# Altium PCB IoT_EM_ADE7758_v0.PcbDoc
Units mm, origin at the board's own origin, x right, y up, seen from the top; angles counter-clockwise.
Board outline 102 x 85 mm, 2 copper layers (Top Layer, Bottom Layer), stack 1.671 mm thick; 84 components, 58 nets, 223 pads, 30 vias.
Unrouted connection lines stored in the file: 1.
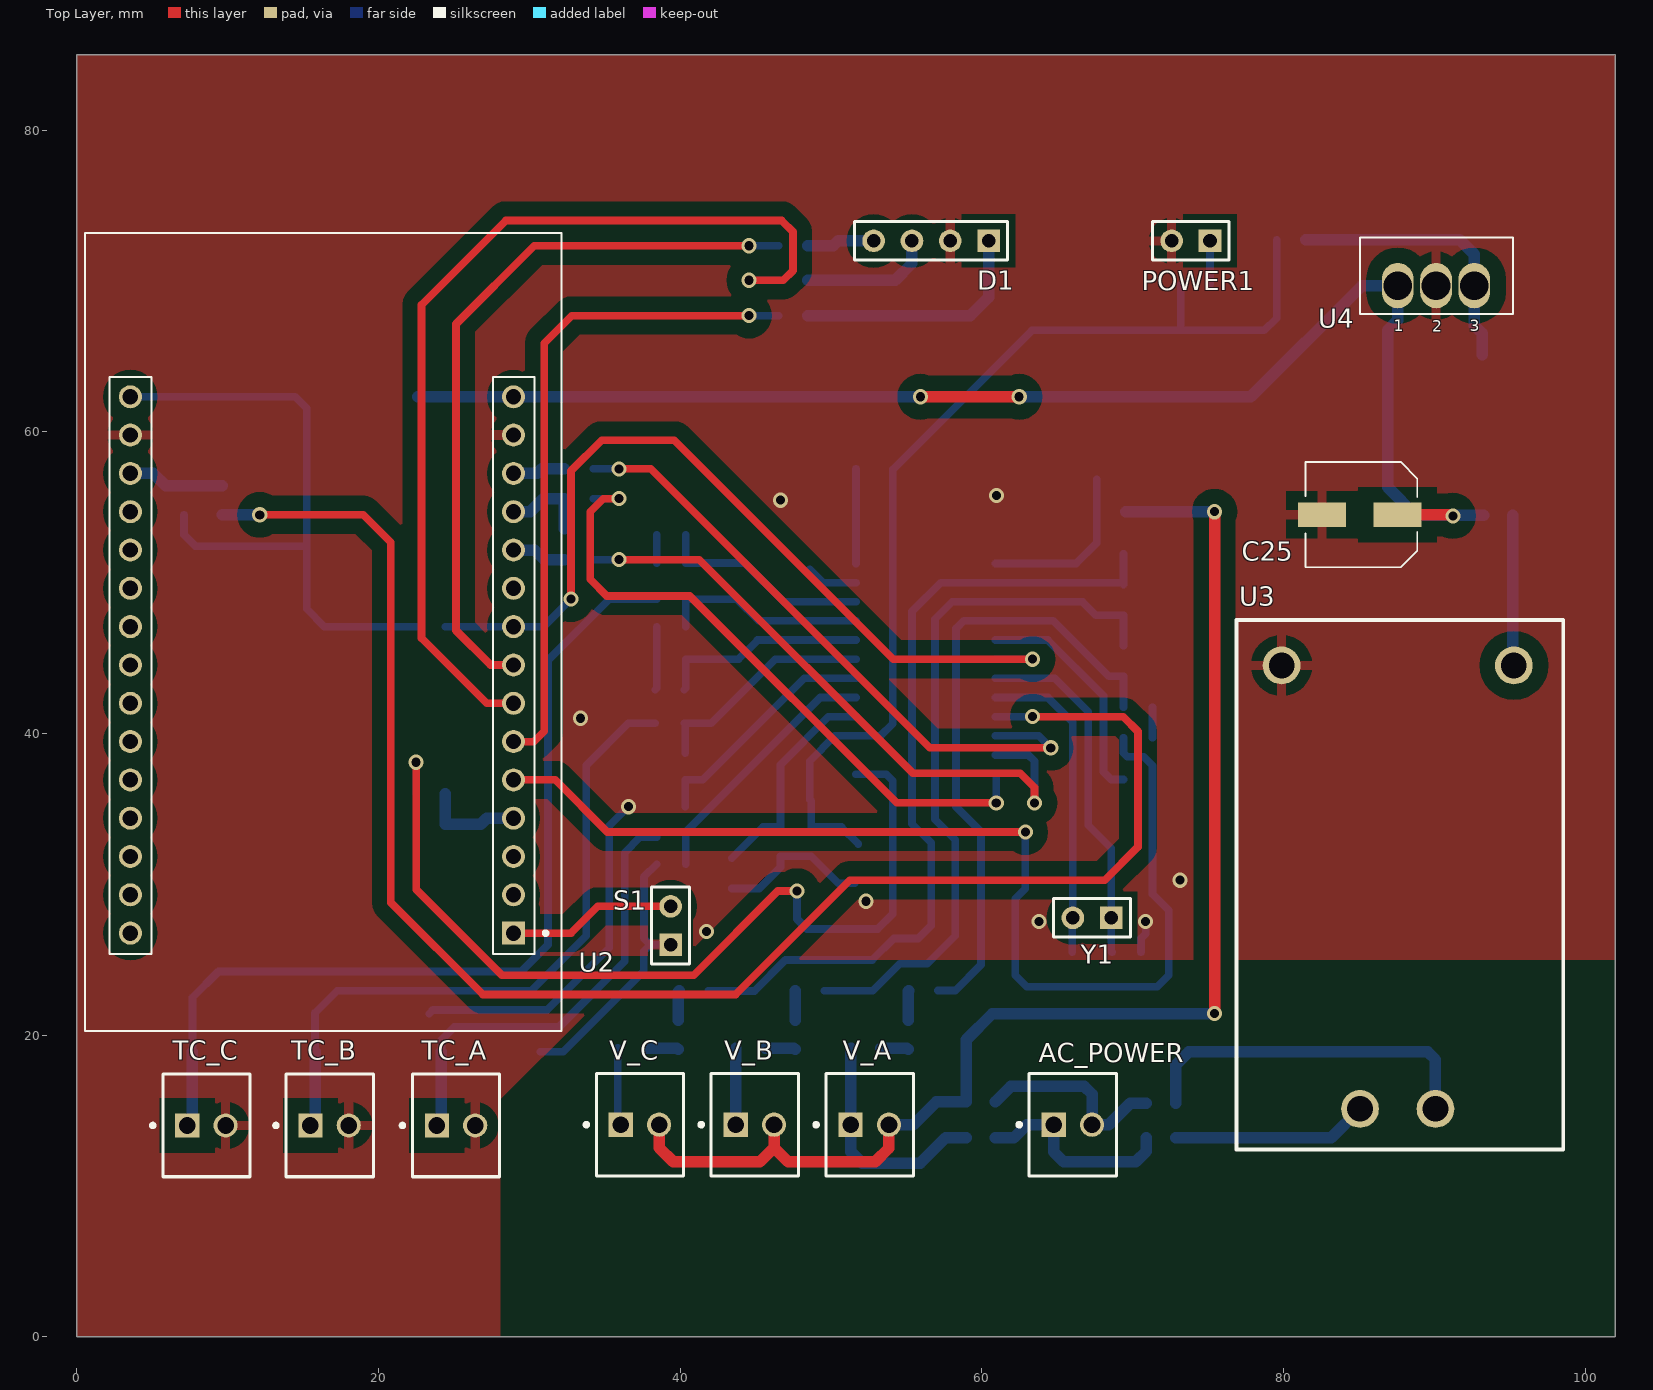
[diagram p0: Top Layer view]
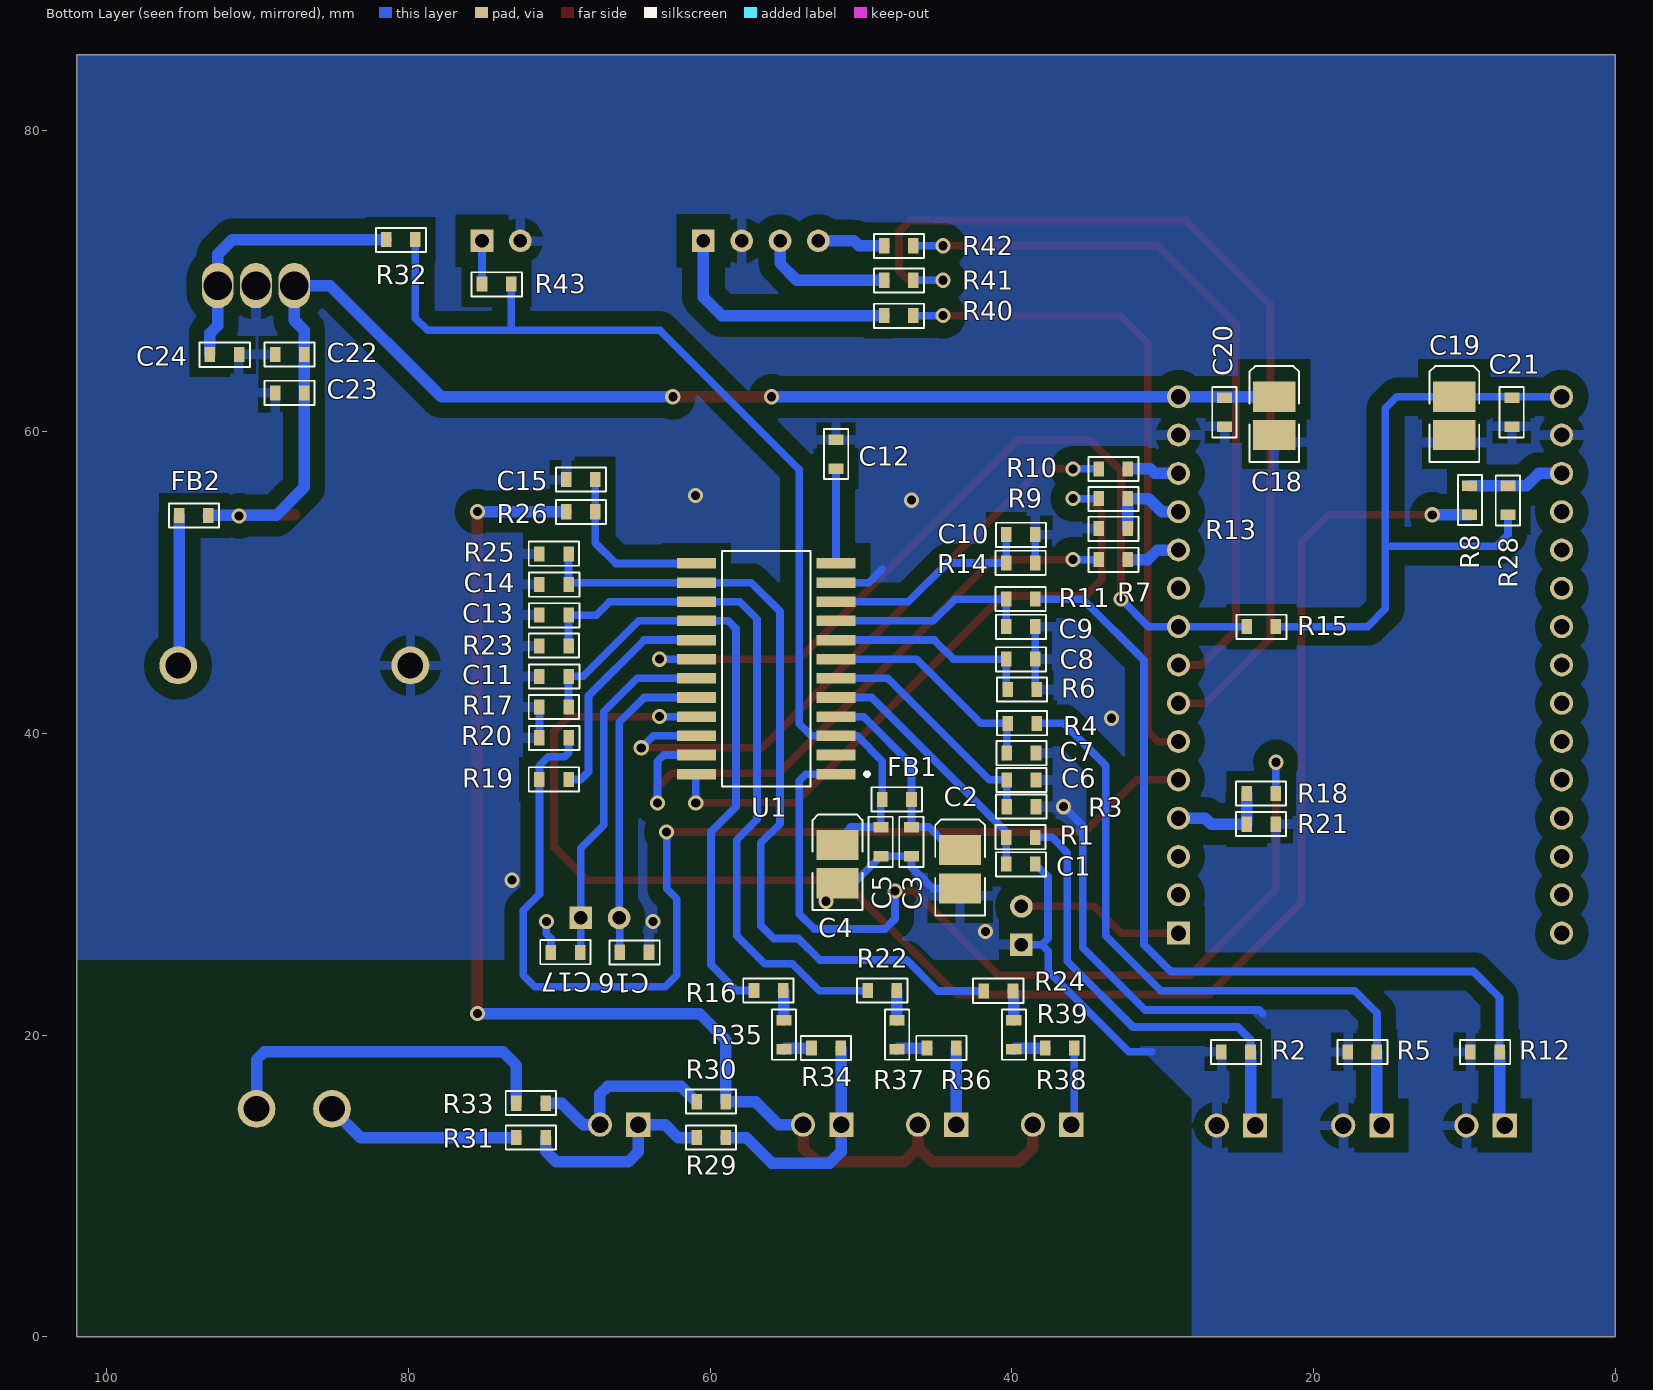
[diagram p1: Bottom Layer view, seen from below]
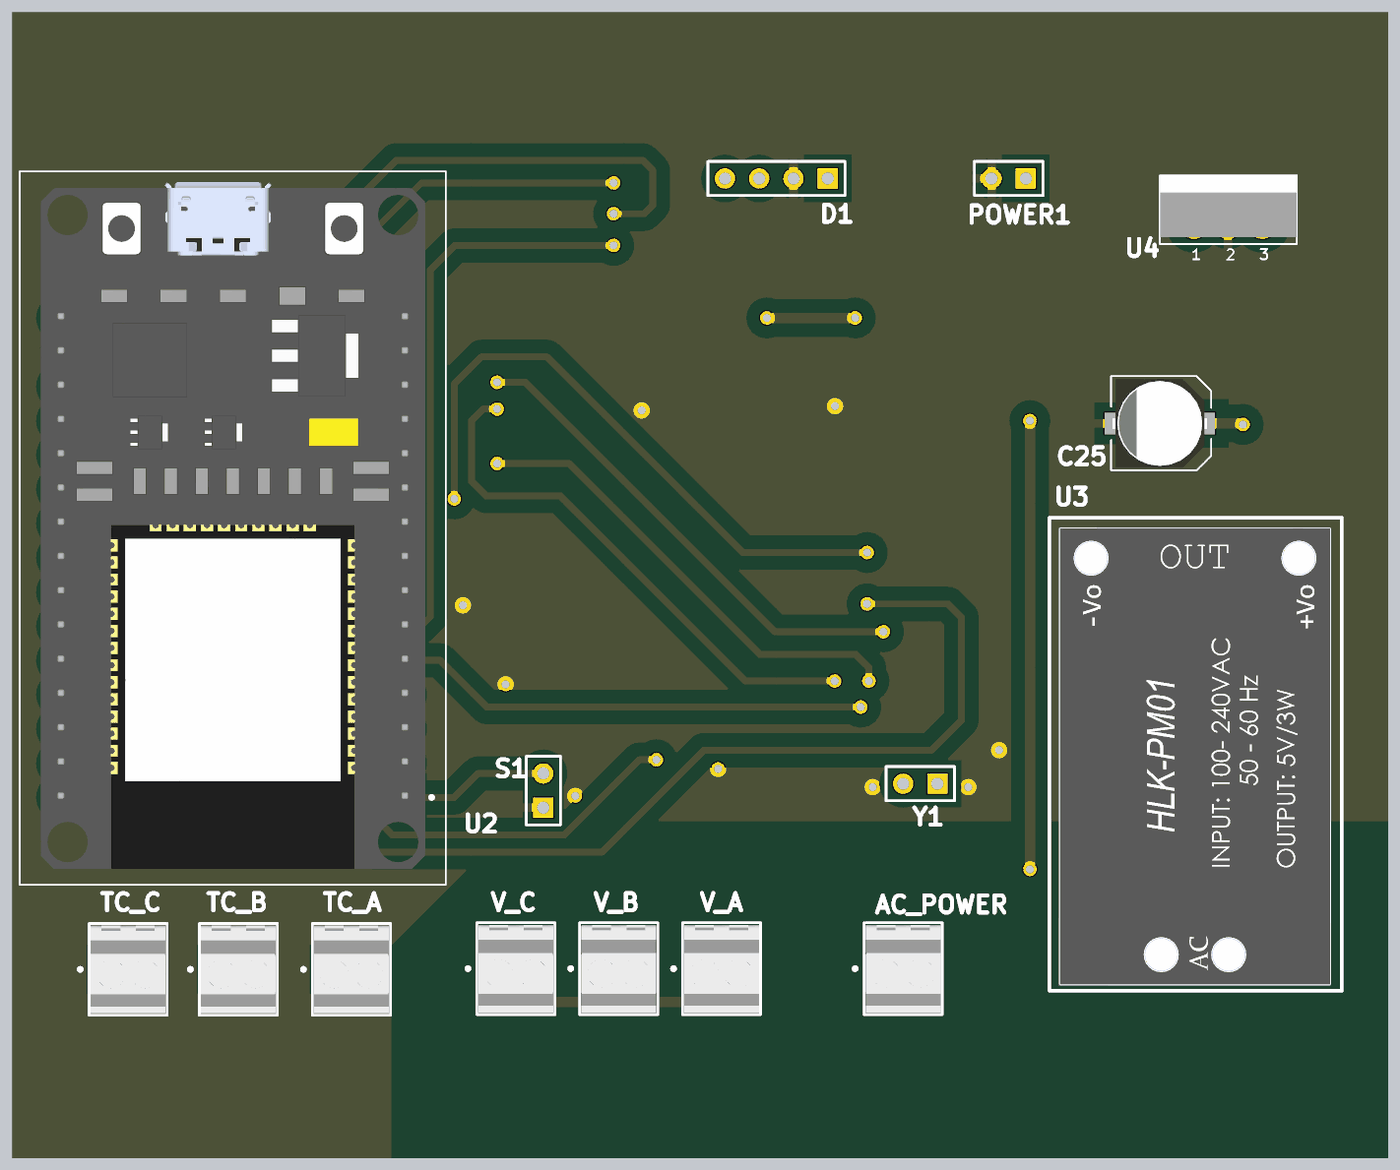
[diagram p2: 3D render of the assembled board from above, using the file's embedded part models]
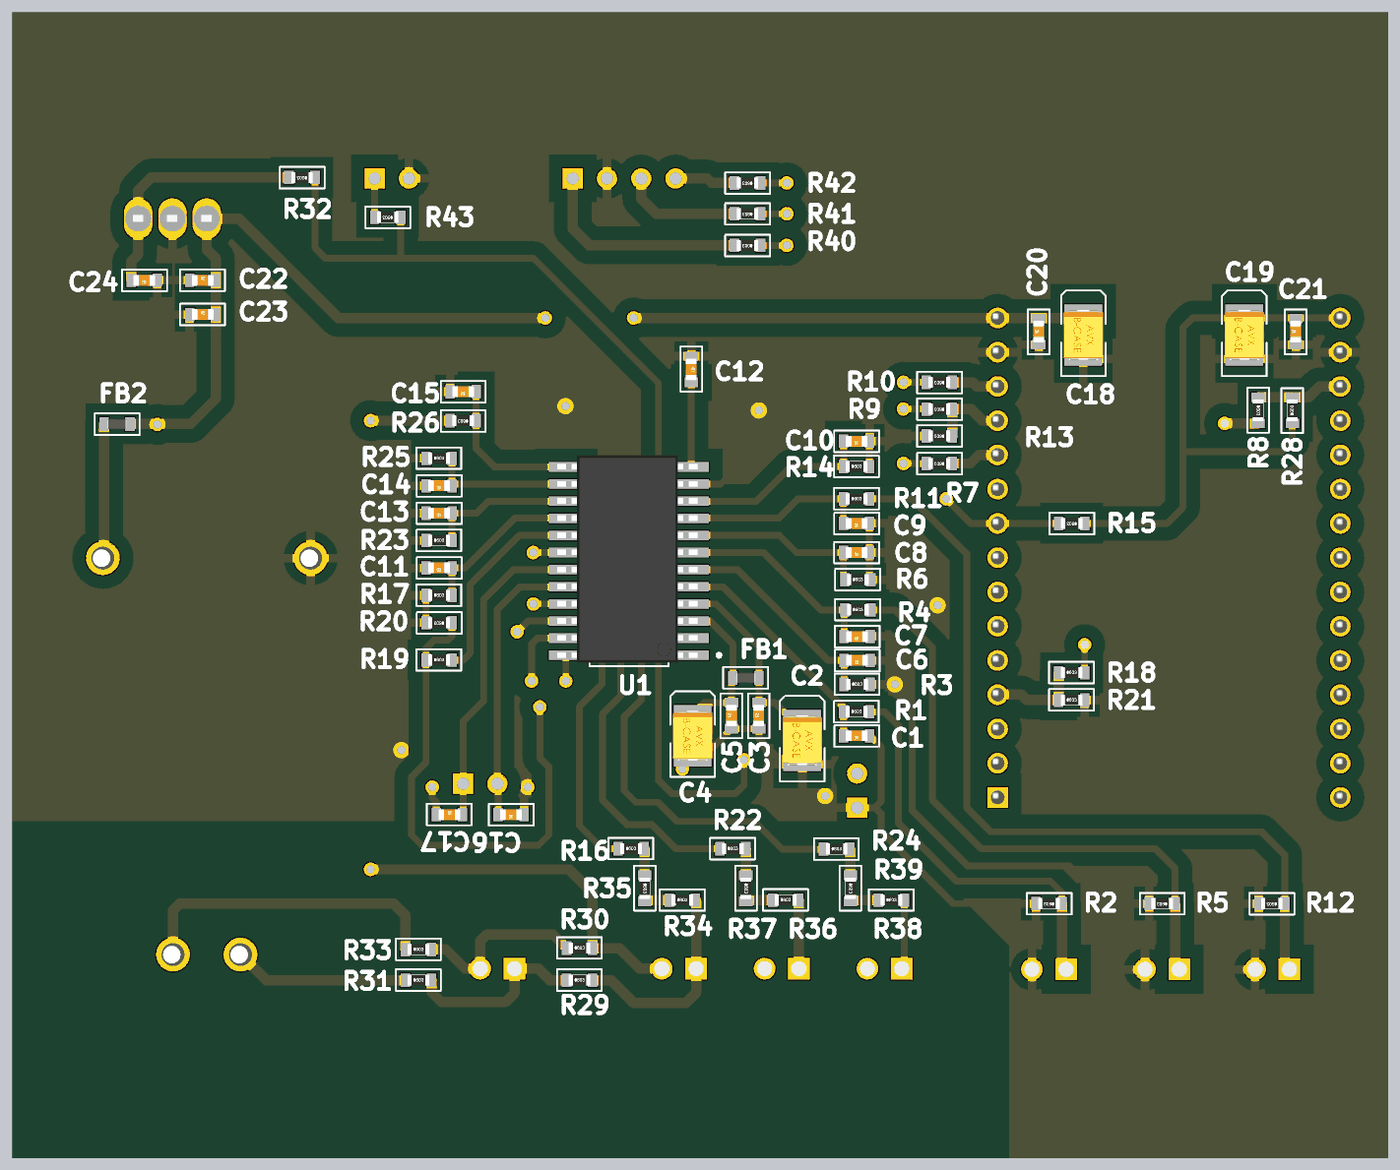
[diagram p3: 3D render of the assembled board from below, using the file's embedded part models]

## Layer stack, top to bottom
Top Solder: solder mask 0.0102, Solder Resist, Dk 3.5
Top Layer: signal copper 0.0356
Dielectric1: core 1.6, FR-4, Dk 4.8
Bottom Layer: signal copper 0.0356
Bottom Solder: solder mask 0.0102, Solder Resist, Dk 3.5

## Board outline
0,0 102,0 101.999,85 0,85

## Design rules (kind name [scope] priority, off if disabled: settings)
Clearance Clearance_Poligon [InPolygon] p1: gap=1.016 ignorepadtopadclearanceinfootprint=FALSE
Clearance [All] p2: gap=0.254 ignorepadtopadclearanceinfootprint=FALSE except(0: Arc-Hole Track-Hole SMDPad-Hole THPad-Hole Via-Hole Fill-Hole Poly-Hole Region-Hole Text-Hole)
HoleSize [All] p1: absolutevalues=TRUE maxlimit=254 minlimit=0.025 maxpercent=80.000 minpercent=20.000
MinimumSolderMaskSliver [All] p1: minsoldermaskwidth=0.025
PlaneConnect [All] p1: planeconnectstyle=Relief reliefexpansion=0.508 reliefentries=4 reliefconductorwidth=0.381 reliefairgap=0.381
PolygonConnect PolygonConnect_via [Isvia] p1: connectstyle=Direct reliefconductorwidth=0.254 reliefentries=4 polygonreliefangle="90 Angle" airgapwidth=0.254
PolygonConnect [All] p2: connectstyle=Relief reliefconductorwidth=0.635 reliefentries=4 polygonreliefangle="90 Angle" airgapwidth=0.762
RoutingVias [All] p1: holewidth=0.4 width=0.9 viastyle="Through Hole" minholewidth=0.4 minwidth=0.9 maxholewidth=0.704 maxwidth=1.533
SilkToSilkClearance [All] p1: silktosilkclearance=0.025
SilkToSolderMaskClearance [IsPad] p1: minsilkscreentomaskgap=0.025 clearancetoexposedcopper=TRUE
SolderMaskExpansion [All] p1: expansion=0.102
Width [All] p1: maxlimit=2.54 minlimit=0.254 preferedwidth=0.381
25 further rules are at their usual default settings.

## Classes and differential pairs
component class U_PowerSupply: C22 C23 C24 C25 FB2 POWER1 R31 R32 R33 R43 U3 U4
component class U_ESP32: C18 C19 C20 C21 D1 R28 R40 R41 R42 S1 U2
component class U_ADE7758: C1 C2 C3 C4 C5 C6 C7 C8 C9 C10 C11 C12 C13 C14 C15 C16 C17 FB1 R1 R2 R3 R4 R5 R6 R7 R8 R9 R10 R11 R12 R13 R14 R15 R16 R17 R18 R19 R20 R21 R22 R23 R24 R25 R26 R34 R35 R36 R37 R38 R39 U1 Y1
component class Master: AC_POWER R29 R30 TC_A TC_B TC_C V_A V_B V_C

## Components (designator, comment, footprint, x,y, rotation, side; value= is the part's Value field where it differs from the comment)
AC_POWER "Conector" TEC_282834-2 66.04,14.064 r0 top locked value=-
C1 "Capacitor" CAP0603 39.408,31.336 r0 bottom value=33n
C2 "Capacitor" "CAP1210 - TANTALUM" 43.434,30.995 r270 bottom value=10u
C3 "Capacitor" CAP0603 46.66,32.831 r90 bottom value=100n
C4 "Capacitor" "CAP1210 - TANTALUM" 51.562,31.338 r270 bottom value=10u
C5 "Capacitor" CAP0603 48.692,32.831 r90 bottom value=100n
C6 "Capacitor" CAP0603 39.37,36.924 r0 bottom value=33n
C7 "Capacitor" CAP0603 39.37,38.702 r0 bottom value=33n
C8 "Capacitor" CAP0603 39.416,44.925 r0 bottom value=33n
C9 "Capacitor" CAP0603 39.416,47.084 r0 bottom value=33n
C10 "Capacitor" CAP0603 39.415,53.18 r0 bottom value=33n
C11 "Capacitor" CAP0603 70.358,43.782 r0 bottom value=33n
C12 "Capacitor" CAP0603 51.661,58.514 r270 bottom value=1u
C13 "Capacitor" CAP0603 70.358,47.846 r0 bottom value=33n
C14 "Capacitor" CAP0603 70.358,49.878 r0 bottom value=33n
C15 "Capacitor" CAP0603 68.58,56.849 r0 bottom value=33n
C16 "Capacitor" CAP0603 65.024,25.494 r0 bottom value=22p
C17 "Capacitor" CAP0603 69.596,25.494 r180 bottom value=22p
C18 "Capacitor" "CAP1210 - TANTALUM" 22.606,61.054 r270 bottom value=10u
C19 "Capacitor" "CAP1210 - TANTALUM" 10.668,61.054 r270 bottom value=10u
C20 "Capacitor" CAP0603 25.908,61.308 r90 bottom value=100n
C21 "Capacitor" CAP0603 6.858,61.308 r90 bottom value=100n
C22 "Capacitor" CAP0603 87.884,65.118 r180 bottom value=1u
C23 "Capacitor" CAP0603 87.884,62.578 r180 bottom value=100n
C24 "Capacitor" CAP0603 92.202,65.118 r0 bottom value=10u
C25 "Capacitor" CAP_ALU_6.3x7.7 85.065,54.501 r180 top value=68u
D1 "WP154A4SUREQBFZGC" HDR1X4 60.452,72.665 r180 top
FB1 "Ferrite Bead" FB0603 47.622,35.629 r180 bottom
FB2 "Ferrite Bead" FB0603 94.234,54.453 r0 bottom
POWER1 "LED Green" HDR1X2 75.133,72.665 r180 top value=-
R1 "Resistor" RES0603 39.416,33.114 r180 bottom value=1k
R2 "Resistor" RES0603 25.146,18.893 r0 bottom value=1k
R3 "Resistor" RES0603 39.37,35.146 r180 bottom value=1k
R4 "Resistor" RES0603 39.32,40.673 r180 bottom value=1k
R5 "Resistor" RES0603 16.764,18.893 r0 bottom value=1k
R6 "Resistor" RES0603 39.32,42.911 r180 bottom value=1k
R7 "Resistor" RES0603 33.274,51.529 r0 bottom value=22R
R8 "Resistor" RES0603 9.652,55.466 r270 bottom value=22R
R9 "Resistor" RES0603 33.274,55.567 r0 bottom value=10k
R10 "Resistor" RES0603 33.274,57.549 r0 bottom value=22R
R11 "Resistor" RES0603 39.408,48.906 r180 bottom value=1k
R12 "Resistor" RES0603 8.636,18.89 r0 bottom value=1k
R13 "Resistor" RES0603 33.274,53.58 r0 bottom value=20k
R14 "Resistor" RES0603 39.408,51.3 r180 bottom value=1k
R15 "Resistor" RES0603 23.462,47.084 r0 bottom value=10k
R16 "Resistor" RES0603 56.134,22.957 r180 bottom value=600k
R17 "Resistor" RES0603 70.358,41.75 r180 bottom value=1k
R18 "Resistor" RES0603 23.47,36.016 r180 bottom value=10k
R19 "Resistor" RES0603 70.358,36.949 r180 bottom value=10k
R20 "Resistor" RES0603 70.358,39.718 r0 bottom value=20k
R21 "Resistor" RES0603 23.47,33.984 r180 bottom value=20k
R22 "Resistor" RES0603 48.587,22.954 r180 bottom value=600k
R23 "Resistor" RES0603 70.358,45.814 r180 bottom value=1k
R24 "Resistor" RES0603 40.894,22.932 r180 bottom value=600k
R25 "Resistor" RES0603 70.358,51.91 r180 bottom value=1k
R26 "Resistor" RES0603 68.58,54.704 r0 bottom value=1k
R28 "Resistor" RES0603 7.112,55.466 r90 bottom value=10k
R29 "Resistor" RES0603 59.944,13.207 r180 bottom value=0R
R30 "Resistor" RES0603 59.944,15.588 r180 bottom value=0R
R31 "Resistor" RES0603 71.882,13.207 r180 bottom value=0R
R32 "Resistor" RES0603 80.518,72.738 r0 bottom value=0R
R33 "Resistor" RES0603 71.882,15.487 r180 bottom value=0R
R34 "Resistor" RES0603 52.324,19.144 r180 bottom value=600k
R35 "Resistor" RES0603 55.118,20.023 r270 bottom value=600k
R36 "Resistor" RES0603 44.666,19.147 r180 bottom value=600k
R37 "Resistor" RES0603 47.622,20.023 r270 bottom value=600k
R38 "Resistor" RES0603 36.83,19.144 r180 bottom value=600k
R39 "Resistor" RES0603 39.878,20.022 r270 bottom value=600k
R40 "Resistor" RES0603 47.498,67.704 r0 bottom value=1k
R41 "Resistor" RES0603 47.498,70.049 r0 bottom value=1k
R42 "Resistor" RES0603 47.498,72.335 r0 bottom value=1k
R43 "Resistor" RES0603 74.168,69.792 r0 bottom value=1k
S1 "SW-SPST" HDR1X2 39.37,26.002 r90 top
TC_A "Conector" TEC_282834-2 25.146,14.013 r0 top locked value=-
TC_B "Conector" TEC_282834-2 16.764,14.013 r0 top locked value=-
TC_C "Conector" TEC_282834-2 8.598,14.013 r0 top locked value=-
U1 "ADE7758ARWZ" SOIC-24 56.286,44.29 r0 bottom value=-
U2 "ESP32_MODULE" "ESP32 DEVKIT V1 DOIT" 16.256,44.544 r90 top locked value=-
U3 "HLK-PM12" HLP-PM12 87.579,29.812 r90 top value="90-264 VAC to 12VDC@3W"
U4 "L7805CV" "TO-220 - 90°" 90.119,69.69 r0 top value=-
V_A "Conector" TEC_282834-2 52.578,14.064 r0 top locked value=-
V_B "Conector" TEC_282834-2 44.958,14.064 r0 top locked value=-
V_C "Conector" TEC_282834-2 37.338,14.064 r0 top locked value=-
Y1 "Cristal" HDR1X2 68.58,27.78 r180 top value=10MHz

## Footprints (in the part's own frame and the unit in brackets; to place one, negate y for a bottom-side part, rotate by r counter-clockwise, add the part's x,y. Pads: shape width x height; smd on the part's side, far side on the other; paste and mask are expansions set on the pad)
CAP0603 [mm] "Chip Capacitor, Body 0603 IPC Low Density"
  rect 0.7x1 smd: 1(-0.965,-0.003) 2(0.965,-0.003)
  silkscreen extent -1.68,-0.79 1.65,0.81, body extent -0.8,-0.4 0.8,0.4, height 0.3
"CAP1210 - TANTALUM" [mm]
  rect 2x2.8 smd: 1(-1.27,0) 2(1.27,0)
  silkscreen extent -3.3,-1.65 3.05,1.65, body extent -1.85,-1.47 1.85,1.46, height 2.03
CAP_ALU_6.3x7.7 [mm] "D:6.3; H:7.7"
  rect 3.2x1.6 smd: 1(-2.5,0) 2(2.5,0)
  silkscreen extent -3.81,-3.51 3.61,3.48, body extent -3.5,-3.3 3.5,3.3, height 8.11
"ESP32 DEVKIT V1 DOIT" [mil] "DEVELOPMENT KIT ESP 32"
  rect 60x60 hole 40: 1(-700,-500)
  round 60 hole 40: 2(-600,-500) 3(-500,-500) 4(-400,-500) 5(-300,-500) 6(-200,-500) 7(-100,-500) 8(0,-500) 9(100,-500) 10(200,-500) 11(300,-500) 12(400,-500) 13(500,-500) 14(600,-500) 15(700,-500) 16(700,500) 17(600,500) 18(500,500) 19(400,500) 20(300,500) 21(200,500) 22(100,500) 23(0,500) 24(-100,500) 25(-200,500) 26(-300,500) 27(-400,500) 28(-500,500) 29(-600,500) 30(-700,500)
  silkscreen extent -955,-625 1128,618, body extent -909,-565 1096,557, height 283
FB0603 [mm] "Ferrite Bead, Body 0603 IPC Low Density"
  rect 0.7x1 smd: 1(-0.965,-0.003) 2(0.965,-0.003)
  silkscreen extent -1.68,-0.79 1.65,0.81, body extent -0.76,-0.38 0.76,0.38, height 0.76
HDR1X2 [mm] "Connector; Header; 2 Position"
  rect 1.5x1.5 hole 0.9: 1(0,0)
  round 1.5 hole 0.9: 2(2.54,0)
  silkscreen extent -1.27,-1.27 3.81,1.27
HDR1X4 [mm] "Connector; Header; 4 Position"
  rect 1.5x1.5 hole 0.9: 1(0,0)
  round 1.5 hole 0.9: 2(2.54,0) 3(5.08,0) 4(7.62,0)
  silkscreen extent -1.27,-1.27 8.89,1.27
HLP-PM12 [mm] "AC/DC MODULE"
  round 2.5 hole 1.7: 1(-14.7,2.5) 2(-14.7,-2.5) 3(14.7,7.7) 4(14.7,-7.7)
  silkscreen extent -17.39,-10.97 17.7,10.69, body extent -17.01,-10.19 16.99,10.01, height 15.1
RES0603 [mm] "Chip Resistor, Body 0603 IPC Low Density"
  rect 0.7x1 smd: 1(-0.965,0) 2(0.965,0)
  silkscreen extent -1.68,-0.79 1.65,0.81, body extent -0.8,-0.41 0.8,0.41, height 0.45
SOIC-24 [mm] "SOIC, 24-Leads, Body 15,6x7,6mm (max), Pitch 1,27mm, IPC Low Density"
  rect 2.6x0.7 smd: 1(-4.625,6.985) 2(-4.625,5.715) 3(-4.625,4.445) 4(-4.625,3.175) 5(-4.625,1.905) 6(-4.625,0.635) 7(-4.625,-0.635) 8(-4.625,-1.905) 9(-4.625,-3.175) 10(-4.625,-4.445) 11(-4.625,-5.715) 12(-4.625,-6.985) 13(4.625,-6.985) 14(4.625,-5.715) 15(4.625,-4.445) 16(4.625,-3.175) 17(4.625,-1.905) 18(4.625,-0.635) 19(4.625,0.635) 20(4.625,1.905) 21(4.625,3.175) 22(4.625,4.445) 23(4.625,5.715) 24(4.625,6.985)
  silkscreen extent -6.8,-7.8 2.93,7.8, body extent -5.09,-7.85 5.31,7.55, height 2.6
TEC_282834-2 [mm] "TEC"
  rect 1.6x1.6 hole 1.1: 1(-1.27,0)
  round 1.6 hole 1.1: 2(1.27,0)
  silkscreen extent -3.66,-3.4 2.9,3.4, body extent -2.77,-3.25 2.77,3.25, height 10.01
"TO-220 - 90°" [mm] "TO-220 - 90°"
  oval 2.1x3 hole 1.9: 1(-2.54,0) 2(0,0) 3(2.54,0)
  silkscreen extent -5.05,-1.88 5.11,3.2, body extent -5.05,-1.37 5.11,3.2, height 15.54

## Part data
AC_POWER TC_A TC_B TC_C V_A V_B V_C: library part "Conector 2x1", "TERM BLOCK 2POS SIDE ENT 2.54MM", Manufacturer="TE Connectivity AMP Connectors", Part Number=282834-2, PCB Info=-
C2 C4 C18 C19 C25: library part "Capacitor Polarizado", "Capacitor Polarizado"
C22 C23 C24: "CAP CER SMD 0603", Manufacturer=-, Part Number=-, PCB Info=-
D1: library part "LED RGB K", Manufacturer=Kingbright, Component Footprint=LED_RGB_5mm, CompType=LED, Part Number=WP154A4SUREQBFZGC, Tem na PHB=Não
POWER1 U2: Manufacturer=-, PCB Info=-
  POWER1: Part Number=-
  U2: Part Number=ESP32_MODULE
S1: "Single-Pole, Single-Throw Switch", LatestRevisionDate=17-Jul-2002, LatestRevisionNote="Re-released for DXP Platform.", PackageDescription="Switch; 2 Leads", PackageReference=SPST-2, Published=24-Mar-1999, Publisher="Altium Limited"
U1: "IC ENERGY METERING 3PHASE 24SOIC", Manufacturer="Analog Devices Inc.", Part Number=ADE7758ARWZ, PCB Info=-
U3: "Flyback power supply AC to 12V@3W", Manufacturer=HI-LINK, Part Number=HLK-PM12, PCB Info=-
U4: "IC REG LINEAR 5V 1.5A TO220", Manufacturer=STMicroelectronics, Part Number=L7805CV
Y1: Manufacturer="ECS Inc.", PCB Info=-

## Via types
v1: diameter 1, hole 0.6, Top Layer to Bottom Layer, 30 vias

## Nets (pads, with @x,y where several pads share a name; then routed paths per layer and width w, separated by ;. In a path a pad name is that pad's centre, name@x,y a point inside that pad or via, vN(x,y) a via of type N, cw(c..) or ccw(c..) an arc to the next point about the centre after c; other vN are vias at no path point)
+3V3: C19.1 C21.2 R15.1 R28.1 U2.16 | length 42.8
  Bottom Layer w0.508: U2.16 C19.1 14.478,62.324 15.24,61.562 15.24,52.418 ; R28.1 7.112,53.18 7.874,52.418 15.24,52.418 ; R15.1 16.416,47.084 15.24,48.26 15.24,52.418
+5V: C4.1 C5.2 FB1.1 R32.1 R43.1 U1.3 | length 69.3
  Bottom Layer w0.508: C4.1@51.816,32.678 50.698,33.796 C5.2 48.688,35.524 FB1.1 48.587,38.165 50.267,39.845 U1.3 53.289,39.845 54.102,40.658 54.102,57.498 63.335,66.731 73.152,66.731 ; R43.1 73.203,66.782 73.152,66.731 ; R32.1 79.553,67.544 78.74,66.731 73.152,66.731
+9V: C18.1 C20.2 C22.2 C23.2 C25.1 FB2.1 U2.15 U4.1 | length 92.5
  Top Layer w0.762: v1(55.938,62.324) v1(62.484,62.324) ; C25.1 91.156,54.501 v1(91.233,54.423)
  Bottom Layer w0.762: C18.1 U2.15 v1(55.938,62.324) ; v1(62.484,62.324) 77.838,62.324 85.204,69.69 U4.1 87.579,67.391 86.919,66.731 C22.2 C23.2 86.919,56.32 88.782,54.457 FB2.1
GND: C1.1 C2.2 C3.1 C4.2 C5.1 C6.1 C7.1 C8.1 C9.1 C10.1 C11.2 C12.1 C13.2 C14.2 C15.2 C16.1 C17.1 C18.2 C19.2 C20.1 C21.1 C22.1 C23.1 C24.1 C25.2 D1.2 POWER1.2 R2.2 R3.2 R5.2 R6.2 R12.2 R13.2 R14.2 R17.1 R20.2 R21.2 R23.1 R25.1 S1.1 TC_A.2 TC_B.2 TC_C.2 U1.2 U1.11 U2.14 U2.17 U3.3 U4.2 | length 65.8
  Bottom Layer w0.508: 23.368,21.43 23.611,21.673 31.18,21.673 35.306,25.799 35.306,33.876 v1(36.576,35.146) ; 30.734,18.893 32.261,18.893 37.592,24.224 37.592,25.563 38.031,26.002 ; R6.2 38.45,43.007 C9.1 ; C1.1 37.603,30.5 37.603,26.43 38.031,26.002 ; R14.2 38.45,51.308 C10.1 ; S1.1 38.031,26.002 ; C2.2 45.24,29.725 46.656,31.142 C3.1 C5.1 50.487,30.068 C4.2 ; 48.595,50.894 49.484,50.005 U1.11 ; C17.1 70.561,26.421 70.866,26.726 v1(70.866,27.526) ; R20.2 R17.1
  other v1: 41.739,26.874 63.784,27.526 52.324,28.877 73.152,30.273 33.406,41.011 46.66,55.466 60.99,55.781
NetAC_POWER_1: AC_POWER.1 R29.1 R31.2 | length 13.6
  Bottom Layer w0.762: R29.1 62.135,13.207 62.992,14.064 AC_POWER.1 64.77,12.26 65.423,11.607 70.213,11.607 70.917,12.311 R31.2
NetAC_POWER_2: AC_POWER.2 R30.1 R33.2 | length 13.3
  Bottom Layer w0.762: R30.1 61.925,16.604 66.802,16.604 67.31,16.096 AC_POWER.2 68.421,14.064 69.844,15.487 R33.2
NetC1_2: C1.2 R1.1 U1.5 | length 17.1
  Bottom Layer w0.508: C1.2 40.373,33.106 R1.1 40.381,33.468 49.298,42.385 U1.5
NetC2_1: C2.1 C3.2 FB1.2 U1.4 | length 14.5
  Bottom Layer w0.508: C2.1@43.434,31.736 45.495,33.796 C3.2 FB1.2 46.656,37.937 49.835,41.115 U1.4
NetC6_2: C6.2 R3.1 U1.6 | length 15.9
  Bottom Layer w0.508: R3.1 C6.2 41.5,36.927 48.228,43.655 U1.6
NetC7_2: C7.2 R4.1 U1.7 | length 15.1
  Bottom Layer w0.508: C7.2 40.335,40.622 R4.1 42.065,40.673 46.317,44.925 U1.7
NetC8_2: C8.2 R6.1 U1.8 | length 13.9
  Bottom Layer w0.508: R6.1 40.381,43.007 C8.2 43.869,44.928 45.136,46.195 U1.8
NetC9_2: C9.2 R11.1 U1.9 | length 13.7
  Bottom Layer w0.508: C9.2 40.381,48.899 R11.1 43.771,48.906 45.212,47.465 U1.9
NetC10_2: C10.2 R14.1 U1.10 | length 14.2
  Bottom Layer w0.508: C10.2 40.381,51.308 R14.1 44.298,51.3 46.863,48.735 U1.10
NetC11_1: C11.1 R16.1 R17.2 U1.16 | length 41.4
  Bottom Layer w0.508: R16.1 58.242,22.957 59.949,24.664 59.949,33.49 58.293,35.146 58.293,46.957 58.801,47.465 U1.16 64.751,47.465 68.431,43.785 C11.1 R17.2
NetC12_2: C12.2 U1.12 | length 6.3
  Bottom Layer w0.508: U1.12 51.665,51.278 C12.2
NetC13_1: C13.1 R22.1 R23.2 U1.15 | length 47.1
  Bottom Layer w0.508: R22.1 52.778,22.954 54.556,24.732 56.388,24.732 58.242,26.586 58.242,32.958 56.896,34.304 56.896,47.585 58.046,48.735 U1.15 66.675,48.735 67.561,47.849 C13.1 R23.2
NetC14_1: C14.1 R24.1 R25.2 U1.14 | length 54.8
  Bottom Layer w0.508: R24.1 44.936,22.932 46.99,24.986 52.744,24.986 54.167,26.409 55.779,26.409 56.642,27.272 56.642,32.75 55.372,34.02 55.372,48.086 57.291,50.005 U1.14 69.269,50.005 C14.1 R25.2
NetC15_1: C15.1 R26.1 U1.13 | length 11.5
  Bottom Layer w0.508: U1.13 66.262,51.275 67.615,52.628 R26.1 C15.1
NetC16_2: C16.2 U1.20 Y1.2 | length 21.1
  Bottom Layer w0.508: U1.20 64.389,42.385 66.04,40.734 Y1.2 65.989,27.729 C16.2
NetC17_2: C17.2 U1.19 Y1.1 | length 23.7
  Bottom Layer w0.508: U1.19 64.85,43.655 67.056,41.449 67.056,33.92 68.58,32.396 Y1.1 68.58,25.541 C17.2
NetC24_2: C24.2 R32.2 U4.3 | length 18.4
  Bottom Layer w0.762: R32.2 91.694,72.738 92.659,71.773 U4.3 92.659,67.048 93.167,66.54 C24.2
NetD1_1: D1.1 R40.2 | length 16.2
  Bottom Layer w0.762: R40.2 59.228,67.704 60.452,68.928 D1.1
NetD1_3: D1.3 R41.2 | length 8.9
  Bottom Layer w0.762: R41.2 54.258,70.049 55.372,71.163 D1.3
NetD1_4: D1.4 R42.2 | length 4.5
  Bottom Layer w0.762: R42.2 50.143,72.335 50.473,72.665 D1.4
NetFB2_2: FB2.2 U3.4 | length 10
  Bottom Layer w0.762: FB2.2 95.199,44.592 U3.4
NetPOWER1_1: POWER1.1 R43.2 | length 2.9
  Bottom Layer w0.508: R43.2 POWER1.1
NetR1_2: R1.2 R2.1 TC_A.1 | length 29.9
  Bottom Layer w0.508: R2.1 24.181,19.698 25.025,20.542 31.972,20.542 36.322,24.892 36.322,32.102 37.334,33.114 R1.2
  Bottom Layer w0.762: TC_A.1 24.181,14.318 R2.1
NetR4_2: R4.2 R5.1 TC_B.1 | length 44.7
  Bottom Layer w0.508: R5.1 15.799,21.481 17.272,22.954 30.146,22.954 33.782,26.59 33.782,37.879 36.576,40.673 R4.2
  Bottom Layer w0.762: TC_B.1 15.799,14.318 R5.1
NetR7_1: R7.1 U2.11 | length 3.6
  Bottom Layer w0.762: U2.11 30.353,52.164 30.988,51.529 R7.1
NetR7_2: R7.2 U1.23 | length 42.1
  Top Layer w0.508: v1(35.941,51.529) 41.275,51.529 55.441,37.363 62.553,37.363 63.5,36.416 v1(63.5,35.4)
  Bottom Layer w0.508: R7.2 v1(35.941,51.529) ; U1.23 63.09,38.575 63.5,38.165 v1(63.5,35.4)
NetR8_1: R8.1 R28.2 U2.18 | length 6.4
  Bottom Layer w0.762: U2.18 5.08,57.244 5.893,56.431 R28.2 R8.1
NetR8_2: R8.2 U1.21 | length 109.4
  Top Layer w0.508: v1(12.133,54.501) 18.999,54.501 20.828,52.672 20.828,28.796 26.924,22.7 43.688,22.7 51.261,30.273 68.152,30.273 70.358,32.479 70.358,40.132 69.375,41.115 v1(63.373,41.115)
  Bottom Layer w0.508: U1.21 v1(63.373,41.115)
  Bottom Layer w0.762: R8.2 v1(12.133,54.501)
NetR9_1: R9.1 R13.1 U2.12 | length 5.7
  Bottom Layer w0.762: U2.12 30.061,54.704 30.924,55.567 R9.1 R13.1
NetR9_2: R9.2 U1.24 | length 43.4
  Top Layer w0.508: v1(35.941,55.568) 34.9,55.568 34.036,54.704 34.036,50.227 35.147,49.116 40.645,49.116 54.361,35.4 v1(60.96,35.4)
  Bottom Layer w0.508: R9.2 v1(35.941,55.568) ; U1.24 60.96,37.256 v1(60.96,35.4)
NetR10_1: R10.1 U2.13 | length 3.5
  Bottom Layer w0.762: U2.13 30.518,57.244 30.823,57.549 R10.1
NetR10_2: R10.2 U1.22 | length 42
  Top Layer w0.508: v1(35.941,57.549) 38.049,57.549 56.545,39.053 v1(64.575,39.053)
  Bottom Layer w0.508: R10.2 v1(35.941,57.549) ; U1.22 63.783,39.845 v1(64.575,39.053)
NetR11_2: R11.2 R12.1 TC_C.1 | length 61.4
  Bottom Layer w0.508: R12.1 7.671,22.493 9.398,24.22 29.46,24.22 31.242,26.002 31.242,44.846 35.303,48.906 R11.2
  Bottom Layer w0.762: TC_C.1 7.671,14.356 R12.1
NetR15_2: R15.2 U1.18 U2.9 | length 57.5
  Top Layer w0.508: v1(32.766,48.906) 32.766,57.404 34.798,59.436 39.624,59.436 54.135,44.925 v1(63.373,44.925)
  Bottom Layer w0.508: R15.2 U2.9 30.944,47.084 v1(32.766,48.906) ; U1.18 v1(63.373,44.925)
NetR16_2: R16.2 R35.1 | length 2
  Bottom Layer w0.762: R35.1 55.118,22.907 R16.2
NetR18_1: R18.1 R21.1 U2.4 | length 6.7
  Bottom Layer w0.762: R18.1 R21.1 26.778,33.984 27.178,34.384 U2.4
NetR18_2: R18.2 U1.1 | length 60.8
  Top Layer w0.508: v1(22.504,38.092) 22.504,29.66 28.194,23.97 40.894,23.97 46.482,29.558 v1(47.752,29.558)
  Bottom Layer w0.508: R18.2 v1(22.504,38.092) ; v1(47.752,29.558) 47.752,27.7 48.41,27.042 53.11,27.042 54.102,28.034 54.102,36.873 53.67,37.305 U1.1
NetR19_1: R19.1 R20.1 U2.5 | length 73.5
  Top Layer w0.508: U2.5 31.712,36.924 35.169,33.468 v1(62.892,33.468)
  Bottom Layer w0.508: v1(62.892,33.468) 62.892,29.712 62.23,29.05 62.23,23.97 62.992,23.208 71.628,23.208 72.39,23.97 72.39,28.288 71.323,29.355 R19.1 71.323,37.851 70.726,38.448 69.66,38.448 69.393,38.715 R20.1
NetR19_2: R19.2 U1.17 | length 15.3
  Bottom Layer w0.508: U1.17 64.389,46.195 68.072,42.512 68.072,37.457 68.58,36.949 R19.2
NetR22_2: R22.2 R37.1 | length 2
  Bottom Layer w0.762: R37.1 R22.2
NetR24_2: R24.2 R39.1 | length 2
  Bottom Layer w0.762: R39.1 39.878,22.881 R24.2
NetR26_2: R26.2 R30.2 V_A.2 V_B.2 V_C.2 | length 87.6
  Top Layer w0.762: V_C.2 38.608,12.54 39.541,11.607 45.295,11.607 46.228,12.54 ; V_B.2 46.228,12.54 ; V_A.2 53.848,12.514 52.941,11.607 47.161,11.607 46.228,12.54 ; v1(75.435,54.704) 75.438,54.701 v1(75.438,21.43)
  Bottom Layer w0.762: V_A.2 55.47,14.064 56.994,15.588 R30.2 58.979,19.699 60.709,21.43 v1(75.438,21.43) ; R26.2 v1(75.435,54.704)
NetR29_2: R29.2 R34.2 V_A.1 | length 15.6
  Bottom Layer w0.762: R34.2 51.308,19.093 V_A.1 51.308,12.286 52.07,11.524 55.918,11.524 57.601,13.207 R29.2
NetR31_1: R31.1 U3.1 | length 13
  Bottom Layer w0.762: R31.1 83.174,13.207 U3.1
NetR33_1: R33.1 U3.2 | length 23.6
  Bottom Layer w0.762: R33.1 72.847,18.012 73.725,18.89 89.571,18.89 90.079,18.382 U3.2
NetR34_1: R34.1 R35.2 | length 1.9
  Bottom Layer w0.762: R34.1 55.031,19.144 R35.2
NetR36_1: R36.1 R37.2 | length 2
  Bottom Layer w0.762: R36.1 47.531,19.147 R37.2
NetR36_2: R36.2 V_B.1 | length 5.1
  Bottom Layer w0.762: V_B.1 43.701,14.077 R36.2
NetR38_1: R38.1 R39.2 | length 2.1
  Bottom Layer w0.762: R38.1 39.791,19.144 R39.2
NetR38_2: R38.2 V_C.1 | length 5.2
  Bottom Layer w0.508: R38.2 35.865,14.267 V_C.1
NetR40_1: R40.1 U2.6 | length 44.3
  Top Layer w0.508: U2.6 30.304,39.464 30.988,40.148 30.988,65.88 32.812,67.704 v1(44.581,67.704)
  Bottom Layer w0.508: v1(44.581,67.704) R40.1
NetR41_1: R41.1 U2.7 | length 64.9
  Top Layer w0.508: U2.7 27.178,42.004 22.86,46.322 22.86,68.42 28.448,74.008 46.736,74.008 47.485,73.259 47.485,70.693 46.841,70.049 v1(44.581,70.049)
  Bottom Layer w0.508: v1(44.581,70.049) R41.1
NetR42_1: R42.1 U2.8 | length 48.6
  Top Layer w0.508: U2.8 27.432,44.544 25.146,46.83 25.146,67.15 30.331,72.335 v1(44.581,72.335)
  Bottom Layer w0.508: v1(44.581,72.335) R42.1
NetS1_2: S1.2 U2.1 | length 11.2
  Top Layer w0.508: U2.1 32.766,26.764 34.544,28.542 S1.2
pads on no net: U2.2 U2.3 U2.10 U2.19 U2.20 U2.21 U2.22 U2.23 U2.24 U2.25 U2.26 U2.27 U2.28 U2.29 U2.30

## Polygon pours and split planes (outlines as drawn)
GND on Top Layer "GND_L01_P010" (solid, remove dead copper, pour order 10): 0,0 28.092,0 28.092,15.74 37.338,24.986 102,24.986 102,84.999 0,85
GND on Bottom Layer "GND_L02_P014" (solid, remove dead copper, pour order 14): 0,0 28.092,0 28.092,15.74 37.338,24.986 102,24.986 102,84.999 0,85

## Keep-outs
Keep-Out Layer:
  text ".Layer_Name" at 128.162,-22.648 h0.7

## Other copper
Top Layer:
  text ".Layer_Name" at 128.162,-22.648 h0.7
Bottom Layer:
  region: 60.911,51.275
  text ".Layer_Name" at 128.162,-22.648 h0.7

## Silkscreen, mask and mechanical layers (free items; w line width, h text height)
Top Overlay:
  text ".Layer_Name" at 128.162,-22.648 h0.7
Bottom Overlay:
  text ".Layer_Name" at 128.162,-22.648 h0.7
Top Paste:
  text ".Layer_Name" at 128.162,-22.648 h0.7
Bottom Paste:
  text ".Layer_Name" at 128.162,-22.648 h0.7
Top Solder:
  text ".Layer_Name" at 128.162,-22.648 h0.7
Bottom Solder:
  text ".Layer_Name" at 128.162,-22.648 h0.7
Board Outline (.GM1):
  the board outline again, w0.254
  text ".Layer_Name" at 128.111,-25.975 h0.7
Info (.GM15):
  lines w0.076: 189.164,78.091 191.958,78.091 ; 189.24,70.723 192.034,70.723 ; 190.221,71.138 190.551,70.808 ; 190.221,77.691 190.551,78.021 ; 190.881,71.138 190.551,70.808 ; 190.881,77.691 190.551,78.021 ; 218.101,73.268 220.895,73.268 ; 218.101,75.554 220.895,75.554 ; 219.269,73.738 219.574,73.255 219.548,73.281 219.548,75.465 219.853,74.983 ; 219.269,74.983 219.574,75.465 ; 219.548,73.255 219.853,73.738 ; 190.551,70.808 190.551,78.021
  lines w0.102: 183.603,66.185 226.035,66.185 226.035,83.489 183.603,83.489 183.603,66.185 ; 183.614,43.426 226.164,43.426 226.179,63.919 183.629,63.919 183.614,43.426
  lines w0.203: 193.707,73.322 193.707,75.532 ; 215.653,73.322 215.653,75.532 ; 192.97,70.782 217.297,70.782 217.297,73.322 192.97,73.322 192.97,70.782 ; 193.013,75.532 193.013,78.021 217.272,78.021 217.272,75.532 193.013,75.532
  lines w0.254: 121.562,-19.777 209.47,-19.777 ; 121.615,-28.388 -27.356,-28.388 -27.356,173.551 233.674,173.551 233.674,-7.247 ; 151.177,-19.777 151.177,-7.348 ; 182.467,-28.312 182.467,-19.803 182.467,-7.247 ; 191.078,-19.777 233.699,-19.777 ; 199.866,-28.312 199.866,-19.803 ; 219.958,-28.388 219.958,-19.777 ; 233.674,-7.247 121.562,-7.247 121.562,-28.388 233.674,-28.388 233.674,-19.752 233.674,-7.247
  text "Detalhes do StackUp para:" at 186.778,80.923 h0.7
  text ".Pcb_File_Name_No_Path" at 203.949,80.847 h0.7
  text "1 - Top-Layer" at 196.063,76.497 h0.7
  text "1.0 oz" at 212.573,76.472 h0.7
  text "1.6mm" at 185,75.081 h0.7
  text "FR-4" at 194.576,74.04 h0.7
  text "1.6 mm" at 221.719,73.85 h0.7
  text "10%" at 185.61,73.202 h0.7
  text "2 - Bottom Layer" at 196.037,71.747 h0.7
  text "1.0 oz" at 212.852,71.62 h0.7
  text "1) Acabamento:" at 186.596,61.254 h0.7
  text "HASL ou ENIG" at 188.709,60.061 h0.7
  text "2) Mascara de Silkscreen:" at 186.469,57.063 h0.7
  text "Em ambos os lados: Branco" at 188.582,55.743 h0.7
  text "3) Mascara de solda:" at 186.596,53.126 h0.7
  text "Em ambos os lados: Verde" at 188.709,52.06 h0.7
  text "4) Recortes na PCB:" at 186.596,49.443 h0.7
  text "Nao ha" at 188.709,48.377 h0.7
  text "5) Controle de impedancia:" at 186.545,45.862 h0.7
  text "Nao ha" at 188.658,44.795 h0.7
  text "PROJ." at 152.368,-9.287 h0.7
  text "Titulo:" at 123.264,-9.744 h0.7
  text "Projeto:" at 156.54,-12.225 h0.7
  text "Revisao:" at 170.739,-12.25 h0.7
  text "Fabio Bassan" at 155.545,-13.885 h0.7
  text "Fabio Bassan" at 169.744,-13.91 h0.7
  text ".Pcb_File_Name_No_Path" at 127.559,-14.181 h0.7
  text "fbassan@gmail.com" at 154.076,-15.4 h0.7
  text "fbassan@gmail.com" at 168.275,-15.425 h0.7
  text "(19) 99781-8115" at 154.457,-16.949 h0.7
  text "(19) 99781-8115" at 168.656,-16.975 h0.7
  text "Escala:" at 221.179,-21.503 h0.7
  text "Data:" at 183.181,-22.037 h0.7
  text "Versao:" at 201.215,-22.037 h0.7
  text "LAYER:" at 123.317,-22.799 h0.7
  text ".Layer_Name" at 128.168,-24.341 h0.7
  text "0" at 207.156,-26.432 h0.7
  text "1:1" at 223.234,-26.534 h0.7
  text ".Print_Date" at 185.033,-26.774 h0.7

## Dimensions
0,85 to 0,0 on Info (.GM15)
0,0 to 102,0 on Info (.GM15)

## Text inside footprints (layer, text, board x,y; h text height)
U4: Top Overlay "1" at 87.325,66.667 h0.76; Top Overlay "3" at 92.354,66.667 h0.76; Top Overlay "2" at 89.865,66.645 h0.76